# Altium PCB MOTHERBOARD.PcbDoc (part 3 of 4) (continued)
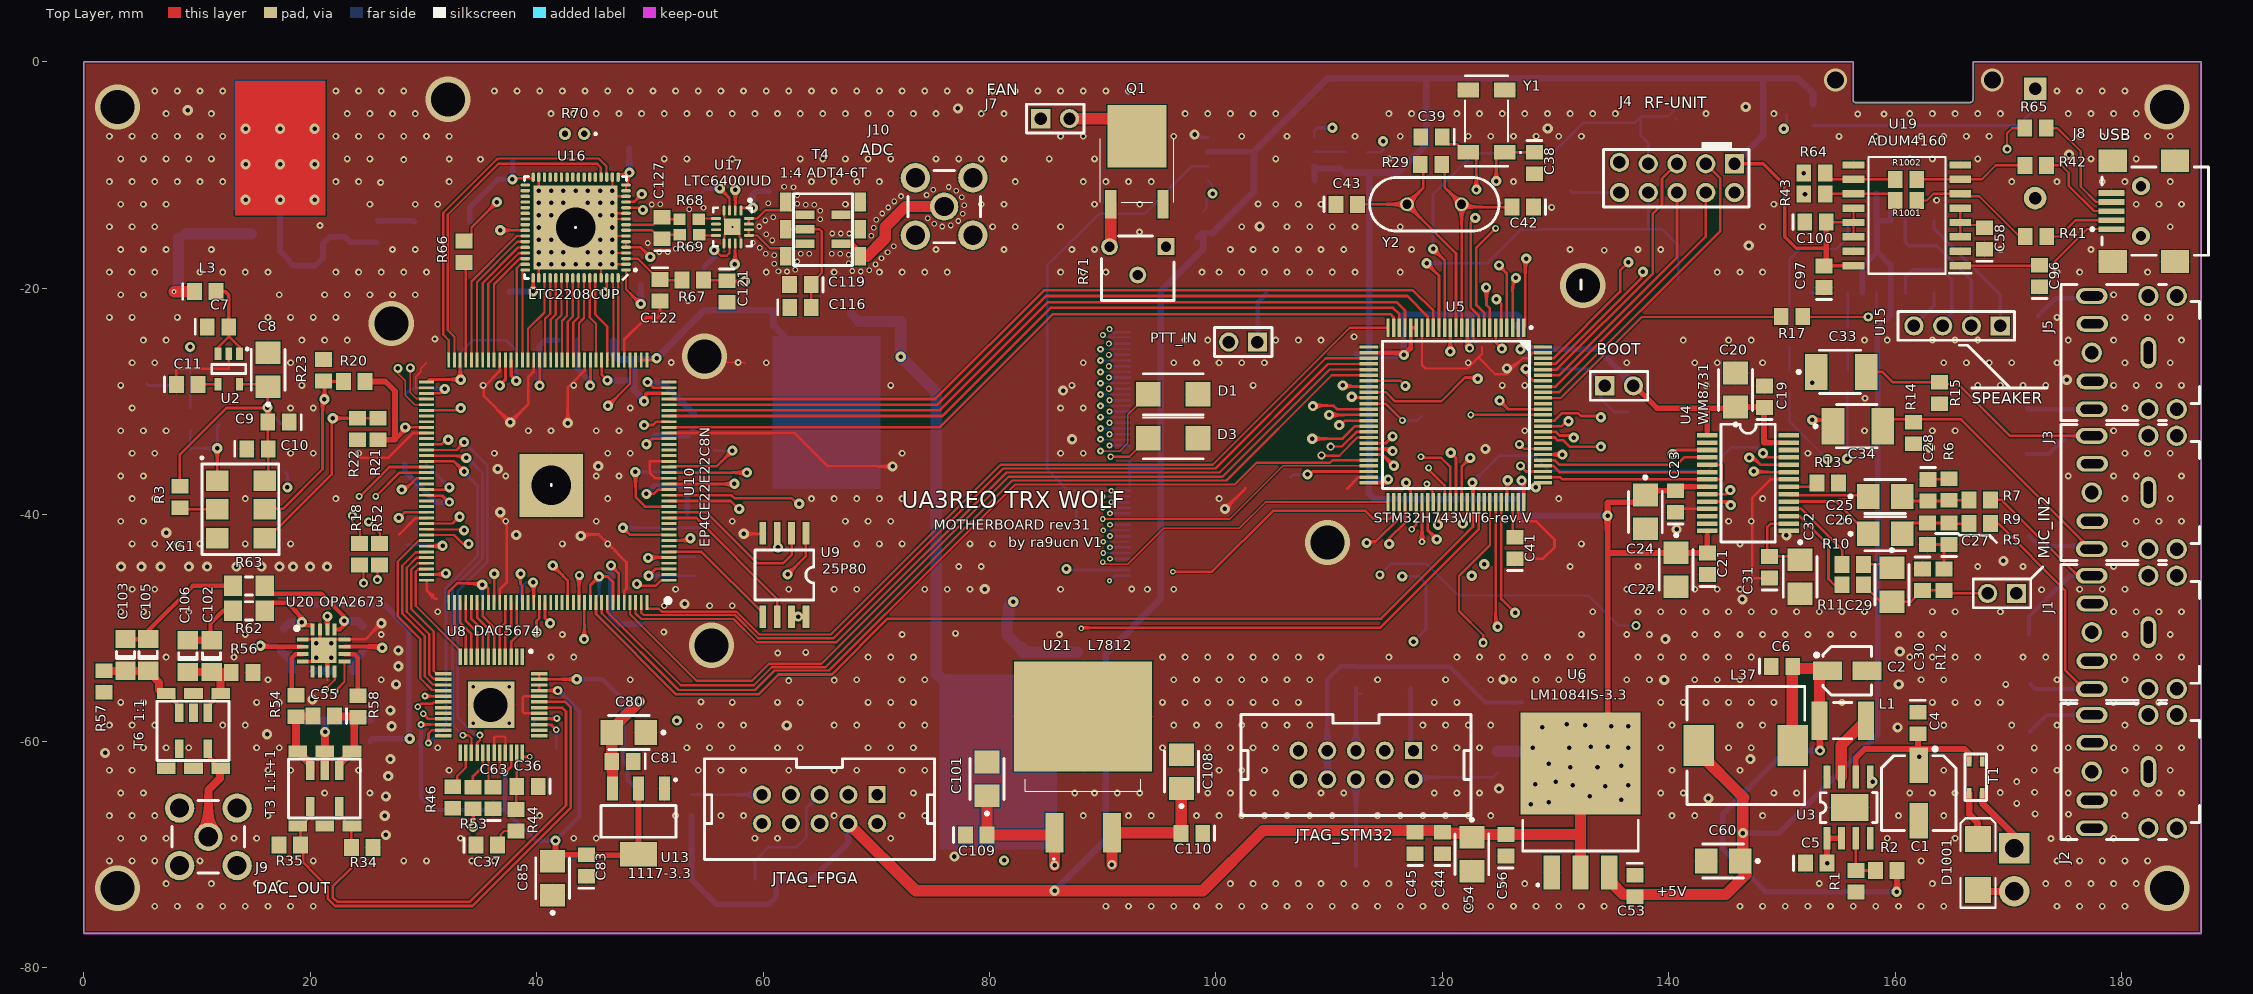
[diagram p0: Top Layer view]
## Nets (pads, with @x,y where several pads share a name; then routed paths per layer and width w, separated by ;. In a path a pad name is that pad's centre, name@x,y a point inside that pad or via, vN(x,y) a via of type N, cw(c..) or ccw(c..) an arc to the next point about the centre after c; other vN are vias at no path point) (continued)
  other v3: 34.4,-58.425 37.6,-58.425 34.4,-55.225 37.6,-55.225 62.118,-18.539 68.646,-18.539 61.364,-18.512 67.893,-18.493 69.393,-18.436 62.857,-18.392 69.935,-17.912 60.986,-17.859 67.586,-17.804 63.014,-17.655 70.468,-17.379 60.986,-17.105 67.586,-17.05 63.334,-16.972 64.088,-16.964 66.083,-16.964 66.837,-16.964 60.247,-16.956 71.002,-16.846 50.84,-16.814 51.594,-16.814 52.297,-16.539 59.704,-16.434 53.016,-16.314 54.039,-16.314 71.533,-16.311 49.836,-16.023 59.089,-15.996 60.82,-15.791 69.56,-15.392 60.287,-15.257 66.119,-15.176 66.873,-15.176 67.627,-15.176 69.776,-14.67 59.678,-14.564 75.838,-14.558 76.586,-14.466 75.119,-14.331 77.229,-14.071 60.205,-14.025 70.013,-13.954 65.046,-13.923 74.561,-13.824 60.906,-13.747 77.643,-13.442 70.539,-13.414 65.049,-13.169 53.489,-13.029 54.745,-12.911 71.072,-12.88 77.766,-12.698 50.185,-12.619 63.762,-12.636 64.515,-12.636 50.938,-12.586 63.014,-12.538 60.453,-12.503 71.605,-12.347 77.565,-11.971 72.191,-11.872 63.014,-11.784 74.447,-11.776 77.073,-11.4 75.041,-11.313 62.697,-11.1 76.393,-11.073 61.86,-11.061
  other v7: 3,-73 184,-73 55.45,-51.55 109.85,-42.475 27.175,-23.125 132.4,-19.775 3,-4 184,-4 32.175,-3.325
  other v9: 154.725,-1.625 168.575,-1.625
  other v12: 35.95,-56.825
KEY_IN_DASH: D34.1 J5.3 U5.97 | length 62.9
  Top Layer w0.23: U5.97@128.9,-26.7 129.992,-26.7 137.585,-19.107 137.585,-18.689 v2(137.713,-18.56)
  Layer 2 w0.23: v2(137.713,-18.56) 137.815,-18.56 150.066,-30.812 177.239,-30.812 J5.3@177.35,-30.7
  Bottom Layer w0.381: D34.1@171.65,-30.65 171.7,-30.7 J5.3@177.35,-30.7
KEY_IN_DOT: D35.1 J5.2 U5.98 | length 59.8
  Top Layer w0.23: U5.98@128.9,-26.2 129.8,-26.2 135.7,-20.3 135.7,-18.45 v2(136.425,-17.725)
  Layer 2 w0.23: v2(136.425,-17.725) 138.516,-17.725 141.491,-20.7 J5.2@177.35,-20.7
  Bottom Layer w0.381: D35.1@172.6,-22.475 172.6,-22.45 173.485,-21.565 173.51,-21.565 174.184,-20.891 177.16,-20.891 J5.2@177.35,-20.7
"Net13.8V +_1": "13.8V +.1" T1.2 | length 6
  Top Layer w0.6: T1.2@167.69,-64.61 167.675,-64.625 167.675,-65.46 170.45,-68.235 170.45,-69.42 170.5,-69.47
"Net13.8V +_2": "13.8V +.2" D1001.1 | length 3.4
  Top Layer w0.6: D1001.1@167.25,-73.625 167.595,-73.28 170.5,-73.28
NetB1_1: B1.1 D2.2 | length 22
  Bottom Layer w0.23: D2.2@152.728,-5.64 153.85,-5.64 170.835,-5.64 172.349,-4.126 B1.1@172.349,-2.404
NetBOOT_1: BOOT.1 R28.2 U5.94 | length 14.3
  Top Layer w0.23: v2(127.345,-27.144) 126.944,-27.144 128,-28.2 U5.94@128.9,-28.2
  Bottom Layer w0.23: v2(127.345,-27.144) 132.944,-27.144 134,-28.2 134,-29.775 135.172,-30.947 R28.2@136.381,-30.947
NetC3_2: C3.2 U8.39 | length 3.4
  Top Layer w0.23: U8.39@40.238,-58.55 41.288,-58.55 v1(41.738,-59)
  Bottom Layer w0.23: v1(41.738,-59) 41.738,-60.588 C3.2@41.8,-60.65
NetC7_2: C7.2 L3.2 U2.1 U2.3 | length 8.8
  Top Layer w0.23: U2.3@11.864,-25.807 11.864,-25.253 12.823,-24.294 12.823,-24.257 ; C7.2@12.809,-23.428 12.823,-23.442 12.823,-24.257 ; U2.1@13.764,-25.807 13.764,-25.198 12.823,-24.257
  Top Layer w0.3: L3.2@11.7,-20.3 12.5,-20.3 12.809,-20.609 C7.2@12.809,-23.428
NetC8_1: C8.1 C9.2 C10.2 C137.2 R3.1 U2.5 XG1.6 XG2.4 | length 28.2
  Top Layer w0.23: R3.1@8.5,-37.5 8.5,-34.7 12.609,-30.591 v2@16.271,-30.591 ; U2.5@13.764,-28.507 16.089,-28.507 C8.1@16.3,-28.718 16.271,-28.747 v2@16.271,-30.591 ; XG1.6@16.2,-36.8 16.3,-36.7 C10.2@16.3,-34.2 16.271,-34.171 C9.2@16.271,-31.841 v2@16.271,-30.591 ; XG1.6@16.2,-36.8 XG1.6@16,-37 XG1.6@16.2,-36.8
  Bottom Layer w0.23: C137.2@16.35,-28.75 16.296,-28.696 16.229,-28.696 v2(16.229,-30.559) 16.229,-30.737 17.796,-32.304 XG2.4@17.796,-32.454
NetC11_2: C11.2 U2.4 | length 1.8
  Top Layer w0.23: C11.2@10.108,-28.505 10.109,-28.507 U2.4@11.864,-28.507
NetC12_1: C12.1 R8.2 | length 1.9
  Bottom Layer w0.23: C12.1@155.8,-27.2 R8.2@155.8,-25.3
NetC13_1: C13.1 U1.8 | length 2
  Bottom Layer w0.23: C13.1@152.5,-20.4 152.51,-20.41 U1.8@154.53,-20.41
NetC17_1: C17.1 C135.2 R45.2 XG1.1 | length 9.1
  Top Layer w0.23: XG1.1@11.8,-37 v2(11.8,-34.15)
  Bottom Layer w0.23: R45.2@9.4,-32.55 C135.2@9.4,-34.25 9.5,-34.15 v2(11.8,-34.15) 11.8,-32.229 C17.1@11.954,-32.075
NetC25_1: C25.1 U4.20 | length 7.1
  Top Layer w0.23: U4.20@150.6,-38.2 150.6,-38.3 157.5,-38.3 C25.1@157.6,-38.4
NetC25_2: C25.2 C28.2 R6.2 R7.2 | length 6.1
  Top Layer w0.23: C25.2@160.6,-38.4 161,-38.8 C28.2@162.9,-38.8 164.7,-38.8 R6.2@164.75,-38.75 166.45,-38.75 R7.2@166.5,-38.7
NetC26_1: C26.1 U4.19 | length 8.2
  Top Layer w0.23: U4.19@150.6,-38.85 154.75,-38.85 C26.1@157.6,-41.7
NetC26_2: C26.2 C27.2 R5.2 R9.2 | length 6.3
  Top Layer w0.23: C26.2@160.6,-41.7 161.55,-40.75 R5.2@162.85,-40.75 C27.2@164.75,-40.75 164.8,-40.8 R9.2@166.5,-40.8
NetC29_1: C29.1 R10.1 | length 2.6
  Top Layer w0.23: R10.1@157.2,-44.4 159.4,-44.4 C29.1@159.7,-44.7
NetC29_2: C29.2 C30.2 D38.1 J2.2 MIC_IN2.2 R11.1 R12.2 | length 33.5
  Top Layer w0.23: R11.1@157.2,-46.2 158.7,-47.7 C29.2@159.7,-47.7 161.4,-47.7 C30.2@162.4,-46.7 R12.2@164.3,-46.7 164.555,-46.955 MIC_IN2.2@167.775,-46.955
  Layer 2 w0.23: MIC_IN2.2@168.155,-46.965 168.155,-50.555 175.3,-57.7 J2.2@177.35,-57.7
  Bottom Layer w0.381: D38.1@171.9,-59.15 171.925,-59.15 173.375,-57.7 J2.2@177.35,-57.7
NetC31_2: C31.2 C32.1 U4.16 | length 7.5
  Top Layer w0.23: U4.16@150.6,-40.8 149,-40.8 148.7,-41.1 148.7,-43.5 C31.2@148.9,-43.7 151.3,-43.7 C32.1@151.6,-44
NetC33_1: C33.1 U4.9 | length 15.3
  Top Layer w0.23: U4.9@143.4,-38.2 145.074,-38.2 v2(145.431,-37.843)
  Layer 1 w0.23: v2(145.431,-37.843) 145.431,-35.294 152.672,-28.053 v2(152.672,-28.35)
NetC33_2: C33.2 D40.1 J3.2 R15.2 | length 28.7
  Top Layer w0.23: C33.2@157.427,-27.4 158.862,-27.4 159.787,-28.325 R15.2@163.925,-28.325 164.1,-28.5 165.592,-28.5 170.142,-33.05 J3.2@177.35,-33.05
  Bottom Layer w0.381: D40.1@171.6,-34.65 173.55,-34.65 175.15,-33.05 J3.2@177.35,-33.05
NetC34_1: C34.1 U4.10 | length 15
  Top Layer w0.23: U4.10@143.4,-38.85 145.154,-38.85 v2(145.468,-39.164) ; v2(152.672,-31.644) 154.256,-31.644 C34.1@154.4,-31.5
  Layer 1 w0.23: v2(145.468,-39.164) 146.343,-39.164 152.727,-32.78 152.727,-31.7 v2(152.672,-31.644)
NetC34_2: C34.2 D39.1 J3.3 R14.2 | length 28.6
  Top Layer w0.23: C34.2@159.5,-31.75 C34.2@159.6,-31.85 ; C34.2@159.7,-31.6 161.8,-31.6 165.8,-31.6 177.25,-43.05 J3.3@177.35,-43.05
  Bottom Layer w0.381: D39.1@171.8,-41.9 172.685,-42.785 176.109,-42.785 176.374,-43.05 J3.3@177.35,-43.05
NetC35_1: C35.1 R55.2 | length 2.1
  Bottom Layer w0.2: C35.1@150.65,-27.25 R55.2@150.65,-25.175
NetC36_2: C36.2 R44.2 U8.35 | length 5
  Top Layer w0.2: R44.2@38.2,-66.05 38.2,-64.05 C36.2@38.25,-64 U8.35@38.25,-61.038
NetC37_2: C37.2 R44.1 | length 2.4
  Top Layer w0.2: C37.2@36.85,-69.2 36.85,-68.25 37.15,-67.95 R44.1@38.2,-67.95
NetC38_1: C38.1 U5.8 Y1.1 | length 19.6
  Top Layer w0.23: U5.8@123.7,-23.5 123.7,-22.2 123,-21.5 123,-16.428 v1(124.703,-14.726) v1@124.7,-14.726 ; v2(124.757,-10.556) 124.757,-8.535 125.292,-8 Y1.1@125.5,-8 C38.1@128.125,-8
  Layer 1 w0.23: v1(124.703,-14.726) 124.757,-14.671 v2(124.757,-10.556)
NetC39_1: C39.1 U5.9 Y1.4 | length 19.5
  Top Layer w0.23: C39.1@120.15,-6.8 C39.1@120,-6.65 120,-6.75 120.535,-7.285 121.285,-7.285 122,-8 Y1.4@122.3,-8 122.465,-8 123,-8.535 v2(123,-11.3) ; v2(122.9,-13.8) 122.5,-14.2 122.5,-21.7 123.2,-22.4 U5.9@123.2,-23.5
  Layer 1 w0.23: v2(122.9,-13.8) 122.9,-11.4 v2(123,-11.3)
NetC40_2: C40.2 U5.48 | length 7.1
  Top Layer w0.23: v2(108.089,-36.461) 108.271,-36.461 108.531,-36.2 U5.48@113.5,-36.2
  Bottom Layer w0.23: C40.2@106.6,-36.7 106.839,-36.461 v2(108.089,-36.461)
NetC41_2: C41.2 U5.73 | length 3.2
  Top Layer w0.23: U5.73@126.2,-38.9 126.2,-41.8 C41.2@126.4,-42
NetC42_2: C42.2 R29.1 U5.12 Y2.1 | length 19.7
  Top Layer w0.23: R29.1@120.2,-9 120.2,-11.1 Y2.1@121.7,-12.6 ; U5.12@121.7,-23.5 Y2.1@121.7,-12.6 ; C42.2@126.15,-12.85 121.95,-12.85 Y2.1@121.7,-12.6
NetC43_2: C43.2 R29.2 U5.13 Y2.2 | length 21.3
  Top Layer w0.23: C43.2@112.5,-12.6 Y2.2@116.874,-12.6 ; R29.2@118.3,-9 118.3,-11.174 Y2.2@116.874,-12.6 ; U5.13@121.2,-23.5 121.2,-16.926 Y2.2@116.874,-12.6
NetC55_1: C55.1 R58.2 T3.1 T3.7 | length 6.9
  Top Layer w0.7: C55.1@22.25,-57.85 23.85,-57.85 23.9,-57.9 23.9,-60.7 T3.1@23.7,-60.9 22.57,-62.03 T3.7@22.57,-62.61
NetC55_2: C55.2 R54.1 T3.3 T3.9 | length 6.9
  Top Layer w0.7: T3.9@20.03,-62.61 20.03,-62.03 T3.3@18.9,-60.9 18.75,-60.75 R54.1@18.75,-57.85 C55.2@20.35,-57.85
NetC58_2: C58.2 U19.3 U19.4 U19.5 | length 4.9
  Top Layer w0.2: U19.3@165.737,-15.48 U19.4@165.737,-14.21 ; U19.5@165.737,-12.94 U19.4@165.737,-14.21 ; C58.2@167.875,-14.675 167.635,-14.435 165.962,-14.435 U19.4@165.737,-14.21
NetC63_2: C63.2 U8.30 | length 3.2
  Top Layer w0.2: U8.30@35.75,-61.038 35.75,-63.675 C63.2@36.15,-64.075
NetC93_2: C93.2 C104.2 R25.1 R49.1 T3.2 T3.8 | length 10.4
  Top Layer w0.7: T3.8@21.3,-62.61 T3.2@21.3,-60.9 v2@21.3,-59.4
  Bottom Layer w0.7: R49.1@19.45,-58.175 21.275,-58.175 ; C93.2@21.275,-59.475 21.325,-59.425 v2(21.325,-59.2) 21.325,-58.225 21.275,-58.175 ; R25.1@25.3,-58.1 23.225,-58.1 23.15,-58.175 21.275,-58.175
NetC96_2: C96.2 J8.1 U19.1 | length 15.1
  Top Layer w0.2: U19.1@165.325,-18.02 U19.1@165.737,-18.02 173.705,-18.02 176.95,-14.775 179.075,-14.775 J8.1@179.1,-14.8
NetC102_1: C102.1 C106.1 R56.2 T6.1 T6.7 | length 8.2
  Top Layer w0.381: T6.7@10.97,-57.51 11.16,-57.321 11.16,-56.741 11.466,-56.435 11.466,-56.11 11.775,-55.8 T6.1@12.1,-55.8 ; C102.1@12.1,-53.95 C102.1@12.15,-53.9
  Top Layer w0.7: C106.1@9.2,-53.9 C102.1@11.3,-53.9 12.15,-53.9 13,-53.9 R56.2@13.05,-53.95 ; T6.1@12.1,-55.8 C102.1@12.1,-53.95
NetC102_2: C102.2 C106.2 R62.1 | length 5.9
  Top Layer w0.381: C102.2@11.1,-51.1 11.2,-51 11.2,-49.622 12.322,-48.5 R62.1@13.2,-48.5
  Top Layer w0.7: C106.2@9.2,-51.1 C102.2@11.1,-51.1
NetC103_1: C103.1 C105.1 R57.1 T6.3 T6.9 | length 9.2
  Top Layer w0.381: C105.1@5.7,-53.8 5.8,-53.8 6.41,-54.41 C105.1@6.41,-54.585 ; T6.3@6.666,-55.491 6.975,-55.8 T6.3@7.3,-55.8 7.625,-55.8 7.935,-56.11 7.935,-56.435 8.241,-56.741 8.241,-57.321 T6.9@8.43,-57.51
  Top Layer w0.7: R57.1@1.8,-53.8 C103.1@3.7,-53.8 C105.1@5.7,-53.8 ; C105.1@6.41,-54.585 6.666,-54.841 T6.3@6.666,-55.491
NetC103_2: C103.2 C105.2 R63.1 | length 11.9
  Top Layer w0.381: C103.2@3.7,-51 C105.2@5.7,-51 5.7,-50.25 9.65,-46.3 R63.1@13.2,-46.3
NetC107_1: C107.1 R60.2 U20.11 | length 7.3
  Top Layer w0.381: U20.11@23.05,-51.675 23.066,-51.66 26.26,-51.66 v2(26.37,-51.77)
  Bottom Layer w0.381: R60.2@24.6,-52.2 25.06,-51.741 26.341,-51.741 v2(26.37,-51.77)
  Bottom Layer w0.7: C107.1@23.8,-53.8 23.8,-53 R60.2@24.6,-52.2
NetC107_2: C107.2 R61.2 | length 1.6
  Bottom Layer w0.7: R61.2@20.3,-53.8 C107.2@21.9,-53.8
NetC112_1: C112.1 C113.1 C114.1 C115.1 C117.2 C118.2 C120.1 L7.2 U16.1 U16.5 U16.6 U16.15 U16.16 U16.17 U16.32 U16.49 U16.62 U17.1 U17.3 U17.10 | length 95
  Top Layer w0.2: v2(37.871,-10.4) 37.971,-10.3 39.654,-10.3 39.7,-10.254 U16.32@39.7,-10.2 ; v2(39.7,-20.3) U16.49@39.7,-19.1 ; v2(46,-20.39) 46.2,-20.19 U16.62@46.2,-19.1 ; U16.17@47.2,-10.2 47.2,-10.002 47.246,-9.956 48.044,-9.956 v2@48.05,-9.95 ; U16.1@47.9,-18.4 47.9,-20.1 v2(49.2,-21.4) ; U16.6@47.9,-15.9 U16.5@47.9,-16.4 49.2,-16.4 v2(50.05,-17.25) ; U16.15@47.9,-11.4 U16.16@47.9,-10.9 48.004,-10.9 48.05,-10.854 v2@48.05,-9.95 ; v2(48.2,-9.8) v2@48.05,-9.95 ; v2@55.7,-16.6 56.25,-17.15 56.8,-17.15 57.05,-16.9 U17.10@57.05,-16.05 ; v2(56.175,-11.2) 57.05,-12.075 U17.3@57.05,-13.15 ; U17.1@58.05,-13.15 58.05,-12.936 58.073,-12.913 59.088,-12.913 v2(59.1,-12.9)
  Layer 1 w0.2: 48.2,-17.2 48.25,-17.25
  Layer 1 w0.5: v2@37.8,-10.4 38.4,-9.8 v2(48.2,-9.8) ; v2(37.871,-10.4) 37.825,-10.446 37.825,-18.425 v2(39.7,-20.3) ; v2(46,-20.39) 46.01,-20.4 48.2,-20.4 ; 48.25,-17.25 v2(50.05,-17.25) ; v2(49.2,-21.4) 48.2,-20.4 ; v2@55.675,-16.275 55.675,-12.9 ; v2(59.1,-12.9) 55.675,-12.9 ; 48.2,-20.4 48.2,-17.2 v2(48.2,-9.8) ; v2(48.2,-9.8) 54.775,-9.8 v2(56.175,-11.2) 55.675,-11.7 55.675,-12.9
  Bottom Layer w0.2: C114.1@37.5,-20.2 C114.1@37.6,-20.3 ; C112.1@49.2,-19.75 C112.1@49.25,-19.7 ; C118.2@54.6,-11.55 C118.2@54.95,-11.2 ; C120.1@54.8,-18.25 C120.1@54.8,-18.15
  Bottom Layer w0.4: C118.2@54.95,-11.2 v2(56.175,-11.2)
  Bottom Layer w0.5: L7.2@34.138,-14.15 34.107,-14.12 34.107,-12.893 36.6,-10.4 v2(37.871,-10.4) 37.885,-10.385 37.885,-8.815 C113.1@37.9,-8.8 ; C114.1@37.6,-20.3 v2(39.7,-20.3) ; v2(48.2,-9.8) C115.1@48.2,-7.65 ; v2(49.2,-21.4) C112.1@49.2,-19.75 ; C120.1@54.8,-18.15 55.7,-17.25 v2(55.7,-16.65) v2@55.7,-16.6 ; v2(59.1,-12.9) 59.1,-11.725 59.375,-11.45 C117.2@60.5,-11.45
NetC116_2: C116.2 C119.1 T4.2 T4.8 | length 10.4
  Top Layer w0.2: T4.2@62,-14.8 T4.8@63.71,-14.8 65,-14.8 65.2,-15 65.2,-18.65 64.25,-19.6 C119.1@64.25,-19.7 C116.2@64.25,-21.7
NetC121_1: C121.1 R67.1 U17.2 | length 14
  Top Layer w0.2: R67.1@54.75,-19.3 56.75,-19.3 C121.1@56.8,-19.35 56.85,-19.4 v2(58.4,-19.4) ; U17.2@57.55,-13.15 57.56,-13.14 57.56,-11.322 v2(57.55,-11.313)
  Layer 2 w0.2: v2(57.55,-11.313) 57.55,-13.25 58.4,-14.1 v2(58.4,-19.4)
NetC122_1: C122.1 R67.2 U16.3 | length 5.7
  Top Layer w0.2: U16.3@47.9,-17.4 48.95,-17.4 50.8,-19.25 C122.1@50.9,-19.25 50.95,-19.3 R67.2@52.85,-19.3
NetC124_2: C124.2 C126.2 L8.1 U18.4 | length 15.7
  Bottom Layer w0.5: v2(17.35,-12.2) 17.35,-16.741 18.104,-17.495 18.104,-17.595 18.504,-17.995 C124.2@18.604,-17.995 18.609,-18 20.483,-18 21.146,-17.337 21.146,-16.061 21.75,-15.457 23.057,-15.457 C126.2@23.1,-15.5 23.55,-15.95 L8.1@25.875,-15.95
  other v2: 14.3,-12.2 20.4,-12.2 14.3,-9.063 17.35,-9.063 20.4,-9.063 14.3,-5.925 17.35,-5.925 20.4,-5.925
NetC127_1: C127.1 R69.2 U16.8 | length 5.2
  Top Layer w0.2: U16.8@47.9,-14.9 50.2,-14.9 50.7,-15.4 C127.1@51.15,-15.4 ; C127.1@51.45,-15.3 R69.2@52.413,-15.3
  Top Layer w0.381: C127.1@51.1,-15.65 C127.1@51.45,-15.3 ; R69.2@52.413,-15.3 R69.2@52.582,-15.132
NetC127_2: C127.2 R68.2 U16.9 | length 5.1
  Top Layer w0.2: U16.9@47.9,-14.4 50.3,-14.4 50.8,-13.9 C127.2@51.15,-13.9 ; C127.2@51.275,-13.925 R68.2@52.288,-13.925
  Top Layer w0.381: C127.2@51.1,-13.75 C127.2@51.275,-13.925 ; R68.2@52.288,-13.925 R68.2@52.582,-13.632
NetC136_2: C136.2 R51.2 | length 1.9
  Bottom Layer w0.23: C136.2@5.6,-28.45 5.75,-28.6 R51.2@7.45,-28.6
NetD2_3: D2.3 U5.6 | length 47.1
  Top Layer w0.23: U5.6@124.7,-23.5 124.7,-24.781 v2(125.26,-25.34)
  Layer 1 w0.23: v2(125.26,-25.34) 125.26,-23.333 122.259,-20.332 122.259,-17.469 123.777,-15.951 129.175,-15.951 131.25,-13.875 131.25,-10.7 136.075,-5.875 150.1,-5.875 v2(150.15,-5.925)
  Bottom Layer w0.23: v2(150.15,-5.925) 150.15,-5.744 150.428,-5.466 D2.3@150.428,-4.69
NetD36_1: D36.1 J1.3 R9.1 | length 24.7
  Top Layer w0.23: R9.1@168.4,-40.8 169.1,-40.8 175,-46.7 175,-53.75 176.65,-55.4 J1.3@177.35,-55.4
  Bottom Layer w0.381: D36.1@171.95,-55 172.35,-55.4 J1.3@177.35,-55.4
NetD37_1: D37.1 J1.2 R7.1 | length 20.4
  Top Layer w0.23: R7.1@168.4,-38.7 169.4,-38.7 176.1,-45.4 J1.2@177.35,-45.4
  Bottom Layer w0.381: D37.1@171.8,-50.6 171.8,-49 175.4,-45.4 J1.2@177.35,-45.4
NetD1001_2: D1001.2 T1.4 | length 4.8
  Top Layer w0.6: T1.4@166.54,-64.61 166.54,-66.475 167.25,-67.185 D1001.2@167.25,-69.125
NetJ7_2: J7.2 Q1.2 | length 6.6
  Top Layer w1: J7.2@87.07,-5.035 91.46,-5.035 Q1.2@93.025,-6.6
NetJ8_2: J8.2 R41.1 | length 6.3
  Top Layer w0.2: R41.1@173.375,-15.425 173.4,-15.45 174.475,-15.45 175.925,-14 J8.2@179.1,-14
NetJ8_3: J8.3 R42.1 | length 8.1
  Top Layer w0.2: R42.1@173.35,-9.175 173.375,-9.15 174.65,-9.15 175.325,-9.825 175.325,-10.975 177.55,-13.2 J8.3@179.1,-13.2
NetJ8_4: J8.4 R65.1 | length 10.3
  Top Layer w0.2: R65.1@173.325,-5.875 174.325,-5.875 176.375,-7.925 176.375,-11.05 177.725,-12.4 J8.4@179.1,-12.4
NetJ9_5: J9.5 T6.6 T6.10 | length 8.9
  Top Layer w0.381: T6.10@10.97,-60.69 11.16,-60.88 11.16,-61.46 11.466,-61.766 11.466,-62.091 11.775,-62.4 T6.6@12.1,-62.4 T6.6@12.05,-62.45
  Top Layer w0.7: J9.5@11.014,-68.465 11.014,-64.336 12.05,-63.3 T6.6@12.05,-62.45
NetJ10_5: J10.5 T4.4 T4.11 | length 12.3
  Top Layer w0.2: T4.4@68.2,-16.475 68.6,-16.875 T4.4@68.6,-17.2
  Top Layer w0.5: T4.11@66.89,-16.07 67.795,-16.07 T4.4@68.2,-16.475 ; T4.4@68.6,-17.2 69.2,-17.2 ; J10.5@75.922,-12.878 J10.5@76,-12.8
  Top Layer w1: 69.2,-17.2 70.8,-15.6 70.8,-14.6 72.6,-12.8 J10.5@76,-12.8
NetJTAG_FPGA_1: JTAG_FPGA.1 U10.16 | length 40.4
  Top Layer w0.23: U10.16@51.7,-38.3 57.236,-38.3 57.511,-38.575 62.551,-38.575 63.026,-39.05 v2(63.2,-39.05)
  Layer 1 w0.23: v2(63.2,-39.05) 70.143,-45.993 70.143,-64.681 JTAG_FPGA.1@70.079,-64.745
NetJTAG_FPGA_3: JTAG_FPGA.3 U10.20 | length 39.3
  Top Layer w0.23: U10.20@51.7,-36.3 58.465,-36.3 58.465,-36.565 58.575,-36.455 v2(58.575,-36.3)
  Layer 1 w0.23: v2@58.643,-36.456 67.508,-45.322 67.508,-64.714 JTAG_FPGA.3@67.539,-64.745
NetJTAG_FPGA_5: JTAG_FPGA.5 R31.1 U10.18 | length 47.8
  Top Layer w0.23: U10.18@51.7,-37.3 57.391,-37.3 57.475,-37.385 v2(57.475,-37.275)
  Layer 1 w0.23: v2(57.475,-37.275) 64.9,-44.7 64.9,-64.646 JTAG_FPGA.5@64.999,-64.745
  Bottom Layer w0.23: R31.1@59.295,-72.219 59.295,-70.591 60.503,-69.382 62.977,-69.382 63.815,-68.545 63.815,-65.929 JTAG_FPGA.5@64.999,-64.745
NetJTAG_FPGA_9: JTAG_FPGA.9 R32.1 U10.15 | length 38.9
  Top Layer w0.23: U10.15@51.7,-38.8 57.128,-38.8 57.828,-39.5 v2(57.9,-39.5)
  Layer 1 w0.23: v2(57.9,-39.5) 58.024,-39.5 59.99,-41.466 59.99,-64.673 JTAG_FPGA.9@59.919,-64.745
  Bottom Layer w0.23: R32.1@53.689,-64.719 53.714,-64.745 JTAG_FPGA.9@59.919,-64.745
NetL1_1: L1.1 U3.7 | length 5.9
  Top Layer w1: U3.7@155.241,-63.174 155.241,-60.359 L1.1@157.4,-58.2
NetL7_1: L7.1 L8.2 | length 3.3
  Bottom Layer w0.5: L8.2@25.975,-14.05 L8.2@26,-14.05 29.137,-14.05 L7.1@29.238,-14.15
NetQ1_1: Q1.1 R70.2 R71.3 | length 56.2
  Top Layer w1: R71.3@90.6,-16.345 90.696,-16.249 90.696,-15.896 90.725,-15.866 Q1.1@90.725,-12.6
  Layer 1 w0.5: R70.2@42.509,-6.376 42.544,-6.376 43.446,-7.277 81.744,-7.277 R71.3@90.811,-16.345
NetR1_2: R1.2 R2.1 U3.3 | length 4.6
  Top Layer w0.23: R1.2@156.511,-71.433 158.252,-71.433 R2.1@158.26,-71.426 ; R1.2@156.511,-71.433 U3.3@156.511,-68.574
NetR3_2: R3.2 XG1.2 | length 3.4
  Top Layer w0.23: R3.2@8.5,-39.4 8.64,-39.54 XG1.2@11.8,-39.54
NetR8_1: R8.1 U1.7 | length 3
  Bottom Layer w0.23: R8.1@155.8,-23.4 U1.7@155.8,-20.41
NetR10_2: R10.2 U4.18 | length 7.5
  Top Layer w0.23: U4.18@150.6,-39.5 151.7,-39.5 155.3,-43.1 R10.2@155.3,-44.4
NetR11_2: R11.2 U4.17 | length 9
  Top Layer w0.23: U4.17@150.6,-40.15 151.55,-40.15 154.1,-42.7 154.1,-45.7 154.6,-46.2 R11.2@155.3,-46.2
NetR13_2: R13.2 U4.21 | length 2.6
  Top Layer w0.23: U4.21@150.6,-37.55 152.732,-37.55 R13.2@153.078,-37.204
NetR16_2: R16.2 U8.40 | length 3.8
  Top Layer w0.23: U8.40@40.238,-58.05 40.263,-58.025 41.775,-58.025 v1(41.8,-58)
  Bottom Layer w0.23: R16.2@39.75,-58.35 40.1,-58 v1(41.8,-58)
NetR17_1: R17.1 U1.5 | length 8.3
  Top Layer w0.2: R17.1@151.825,-22.525 151.85,-22.55 v4(157.613,-22.55)
  Bottom Layer w0.2: v4(157.613,-22.55) 157.725,-22.55 158.34,-21.935 U1.5@158.34,-20.41
NetR18_2: R18.2 U20.8 | length 14.4
  Top Layer w0.15: R18.2@24.375,-44.45 24.725,-44.8 v4(24.725,-46.05)
  Top Layer w0.2: v1(21.35,-55.425) 22.175,-54.6 U20.8@22.175,-53.85
  Layer 2 w0.15: v1(21.35,-55.425) 21.35,-55.25 24.725,-51.875 v4(24.725,-46.05)
NetR24_2: R24.2 U10.92 | length 5
  Top Layer w0.23: U10.92@30.3,-37.8 32.1,-37.8 v2(32.3,-37.6)
  Bottom Layer w0.23: R24.2@30.25,-35.55 v2(32.3,-37.6)
NetR27_2: R27.2 U5.36 | length 5.4
  Top Layer w0.23: U5.36@113.5,-30.2 114.977,-30.2 v1(116.467,-31.69)
  Bottom Layer w0.23: v1(116.467,-31.69) 117.776,-31.69 R27.2@118.147,-31.319
NetR30_1: R30.1 U10.9 | length 13
  Top Layer w0.23: v2(47.629,-41.162) 48.267,-41.8 U10.9@51.7,-41.8
  Bottom Layer w0.23: v2(47.629,-41.162) 54.878,-41.162 55.123,-40.917 55.123,-39.966 R30.1@55.224,-39.866
NetR40_1: R40.1 U7.6 | length 2.8
  Bottom Layer w0.23: U7.6@108.7,-7.96 111.46,-7.96 R40.1@111.495,-7.995
NetR41_2: R41.2 R1001.1 U19.6 | length 11.4
  Top Layer w0.2: R1001.1@161.9,-12.25 161.925,-12.275 162.775,-12.275 163.38,-11.67 U19.6@165.737,-11.67 165.962,-11.895 167.42,-11.895 170.95,-15.425 R41.2@171.475,-15.425
NetR42_2: R42.2 R1002.1 U19.7 | length 10.1
  Top Layer w0.2: R1002.1@161.9,-10.425 161.925,-10.4 U19.7@165.737,-10.4 167.625,-10.4 168.875,-9.15 171.425,-9.15 R42.2@171.45,-9.175
NetR43_1: R43.1 R1001.2 U19.11 | length 6.4
  Top Layer w0.2: R43.1@153.825,-11.675 153.83,-11.67 U19.11@156.313,-11.67 159.45,-11.67 160,-12.22 R1001.2@160,-12.25
NetR46_2: R46.2 U8.26 | length 3.5
  Top Layer w0.2: R46.2@32.6,-64.05 32.7,-64.05 33,-63.75 33,-63.1 33.75,-62.35 U8.26@33.75,-61.038
NetR47_1: R47.1 U10.14 | length 12.7
  Top Layer w0.23: v2(48.719,-36.23) 48.747,-36.23 48.747,-38.464 49.582,-39.3 U10.14@51.7,-39.3
  Bottom Layer w0.23: v2(48.719,-36.23) 54.088,-36.23 R47.1@55.324,-37.466
NetR48_1: R48.1 U10.21 | length 7.8
  Top Layer w0.23: U10.21@51.7,-35.8 51.752,-35.748 55.902,-35.748 v2(57.3,-34.35)
  Bottom Layer w0.23: R48.1@55.712,-34.311 55.75,-34.311 55.789,-34.35 v2(57.3,-34.35)
NetR52_2: R52.2 U20.9 | length 15.8
  Top Layer w0.15: v4(25.95,-45.75) 25.95,-44.7 R52.2@26.175,-44.475
  Top Layer w0.2: v1(22.2,-55.625) 23.05,-54.775 U20.9@23.05,-52.975
  Layer 2 w0.15: v1(22.2,-55.625) 25.225,-52.6 25.225,-47.725 25.95,-47 v4(25.95,-45.75)
NetR53_2: R53.2 U8.29 | length 3.1
  Top Layer w0.23: R53.2@34.382,-63.782 34.382,-63.118 35.25,-62.25 U8.29@35.25,-61.038
NetR54_2: R54.2 U20.3 | length 4.6
  Top Layer w0.381: R54.2@18.7,-55.9 18.375,-55.575 18.375,-52.668 18.703,-52.341 19.335,-52.341 U20.3@19.35,-52.325
  Top Layer w0.7: R54.2@18.7,-55.9 R54.2@18.75,-55.95
NetR55_1: R55.1 U1.10 | length 13.3
  Bottom Layer w0.2: R55.1@150.65,-23.275 150.65,-17.445 151.545,-16.55 154.8,-16.55 155.8,-15.55 U1.10@155.8,-14.06
NetR58_1: R58.1 U20.10 | length 4.8
  Top Layer w0.381: U20.10@23.05,-52.325 23.066,-52.341 23.941,-52.341 24.2,-52.6 24.2,-55.7 R58.1@23.9,-56
NetR59_1: R59.1 R62.2 U20.16 | length 7.4
  Top Layer w0.381: R62.2@16,-48.5 16.7,-47.8 18,-47.8 19.283,-49.083 v2(19.283,-49.517) 19.566,-49.8 U20.16@20.2,-49.8
  Bottom Layer w0.7: R59.1@17.7,-50.05 18.233,-49.517 v2(19.283,-49.517)
NetR59_2: R59.2 R61.1 U20.2 | length 7.5
  Top Layer w0.381: v2@16,-51.675 U20.2@19.35,-51.675
  Bottom Layer w0.381: v2(15.61,-51.591) 16.991,-51.591 R59.2@17.45,-52.05
  Bottom Layer w0.7: R59.2@17.45,-52.05 18.4,-53 R61.1@18.4,-53.8
NetR60_1: R60.1 R63.2 U20.13 | length 11.4
  Top Layer w0.381: R63.2@16,-46.3 16.7,-47 21,-47 22.92,-48.92 22.92,-49.32 v2(23,-49.4) ; 22.4,-50.15 22.65,-50.15 v2@23.2,-49.6
  Bottom Layer w0.7: v2(23,-49.4) 24.2,-49.4 R60.1@24.63,-49.83
NetR64_1: R64.1 R1002.2 U19.10 | length 6.4
  Top Layer w0.2: R64.1@153.825,-9.85 154.375,-10.4 U19.10@156.313,-10.4 159.975,-10.4 R1002.2@160,-10.425
NetR66_1: R66.1 U17.11 | length 35.5
  Top Layer w0.2: R66.1@33.6,-15.85 33.7,-15.85 34.25,-15.3 34.25,-14.65 v2(36.5,-12.4) ; v2(57.5,-17.9) 57.54,-17.86 57.54,-16.06 U17.11@57.55,-16.05
  Layer 2 w0.2: v2(36.5,-12.4) 36.5,-9.65 37.55,-8.6 48.143,-8.6 54.892,-15.349 54.892,-16.935 55.857,-17.9 v2(57.5,-17.9)
NetR68_1: R68.1 U17.5 | length 1.6
  Top Layer w0.2: R68.1@54.4,-13.85 U17.5@55.85,-13.85
  Top Layer w0.381: R68.1@54.325,-13.925 R68.1@54.4,-13.85
NetR69_1: R69.1 U17.8 | length 1.3
  Top Layer w0.2: R69.1@54.6,-15.35 U17.8@55.85,-15.35
NetT4_1: T4.1 T4.7 U17.15 U17.16 | length 6.6
  Top Layer w0.2: U17.15@58.75,-14.35 U17.16@58.75,-13.85 59.5,-13.85 60.225,-13.125 61.6,-13.125 T4.1@62,-12.725 ; T4.1@62,-12.4 T4.1@62,-12.725 ; T4.7@63.71,-13.53 63.53,-13.35 62.95,-13.35 62.725,-13.125 62.4,-13.125 T4.1@62,-12.725
NetT4_3: T4.3 T4.9 U17.13 U17.14 | length 6.8
  Top Layer w0.2: U17.14@58.75,-14.85 U17.13@58.75,-15.35 59.5,-15.35 60.625,-16.475 61.6,-16.475 T4.3@62,-16.875 ; T4.3@62,-17.2 T4.3@62,-16.875 ; T4.9@63.71,-16.07 63.43,-16.35 62.85,-16.35 62.725,-16.475 62.4,-16.475 T4.3@62,-16.875
NetU1_1: U1.1 U15.4 | length 3.7
  Bottom Layer w0.3: U15.4@161.645,-23.34 163.42,-21.565 U1.1@163.42,-20.41
NetU1_3: U1.3 U15.3 | length 10.5
  Bottom Layer w0.3: U1.3@160.88,-20.41 160.9,-20.39 160.9,-19.025 161.55,-18.375 164.075,-18.375 164.975,-19.275 164.975,-22.23 164.472,-22.733 164.472,-23.053 U15.3@164.185,-23.34
NetU1_14: U1.14 U15.2 | length 13.2
  Bottom Layer w0.3: U1.14@160.88,-14.06 160.88,-15.93 161.2,-16.25 163.675,-16.25 166.725,-19.3 U15.2@166.725,-23.34
NetU1_16: U1.16 U15.1 | length 11.7
  Bottom Layer w0.3: U1.16@163.42,-14.06 163.42,-14.76 169.265,-20.605 U15.1@169.265,-23.34
NetU9_1: U9.1 U10.8 | length 16.2
  Top Layer w0.23: U10.8@51.7,-42.3 53.39,-42.3 v2(53.588,-42.102) ; v2(62.172,-45.29) 63.791,-43.672 U9.1@63.791,-41.638
  Layer 2 w0.23: v2(53.588,-42.102) 56.776,-45.29 v2(62.172,-45.29)
NetU9_2: U9.2 U10.13 | length 14.9
  Top Layer w0.23: U10.13@51.7,-39.8 55.019,-39.8 59.53,-44.311 61.776,-44.311 62.526,-43.561 62.526,-41.643 U9.2@62.521,-41.638
NetU9_5: U9.5 U10.6 | length 10.9
  Top Layer w0.23: U10.6@51.7,-43.3 51.726,-43.274 54.542,-43.274 59.981,-48.713 U9.5@59.981,-49.038
NetU9_6: U9.6 U10.12 | length 14.1
  Top Layer w0.23: U10.12@51.7,-40.3 51.703,-40.303 54.105,-40.303 61.251,-47.448 U9.6@61.251,-49.038
OFA: U10.44 U16.60 | length 7.8
  Top Layer w0.2: U16.60@45.2,-19.1 45.192,-19.108 45.192,-22.343 46.25,-23.401 U10.44@46.25,-26.35 U10.44@46.3,-26.3
PERI_MISO: J6.29 U5.53 U7.2 | length 75.9
  Top Layer w0.23: v2(113.3,-42.5) 113.4,-42.4 114.1,-42.4 116.2,-40.3 U5.53@116.2,-38.9
  Layer 1 w0.23: v5(90.75,-37.9) 96.15,-37.9 98.875,-40.625 101.45,-40.625 102.7,-39.375 112.325,-39.375 113.3,-40.35 v2(113.3,-42.5)
  Bottom Layer w0.23: J6.29@92.4,-37.9 v5(90.75,-37.9) 87,-37.9 85.1,-36 85.1,-18.006 89.656,-13.45 93.675,-13.45 97.895,-9.23 U7.2@99.3,-9.23
PERI_MOSI: J6.30 U5.54 U7.5 | length 93.1
  Top Layer w0.23: v2(115.3,-42.6) 115.3,-42.136 116.7,-40.736 U5.54@116.7,-38.9
  Layer 1 w0.18: v5(90,-38.4) 95.6,-38.4
  Layer 1 w0.23: 95.6,-38.4 104.7,-47.5 110.4,-47.5 v2(115.3,-42.6)
  Layer 2 w0.23: v5(90,-38.4) 88.8,-38.4 84.8,-34.4 84.8,-27.922 90.822,-21.9 93.925,-21.9 97.375,-18.45 97.375,-10.65 98.78,-9.245 102.38,-9.245 106.275,-5.35 109.75,-5.35 110.293,-5.893 v2(110.293,-5.838)
  Bottom Layer w0.2: v5(90,-38.4) J6.30@92.4,-38.4
  Bottom Layer w0.23: U7.5@108.7,-6.69 108.7,-6.1 108.962,-5.838 v2(110.293,-5.838)